# KiCad board r1_panel.kicad_pcb (continued)
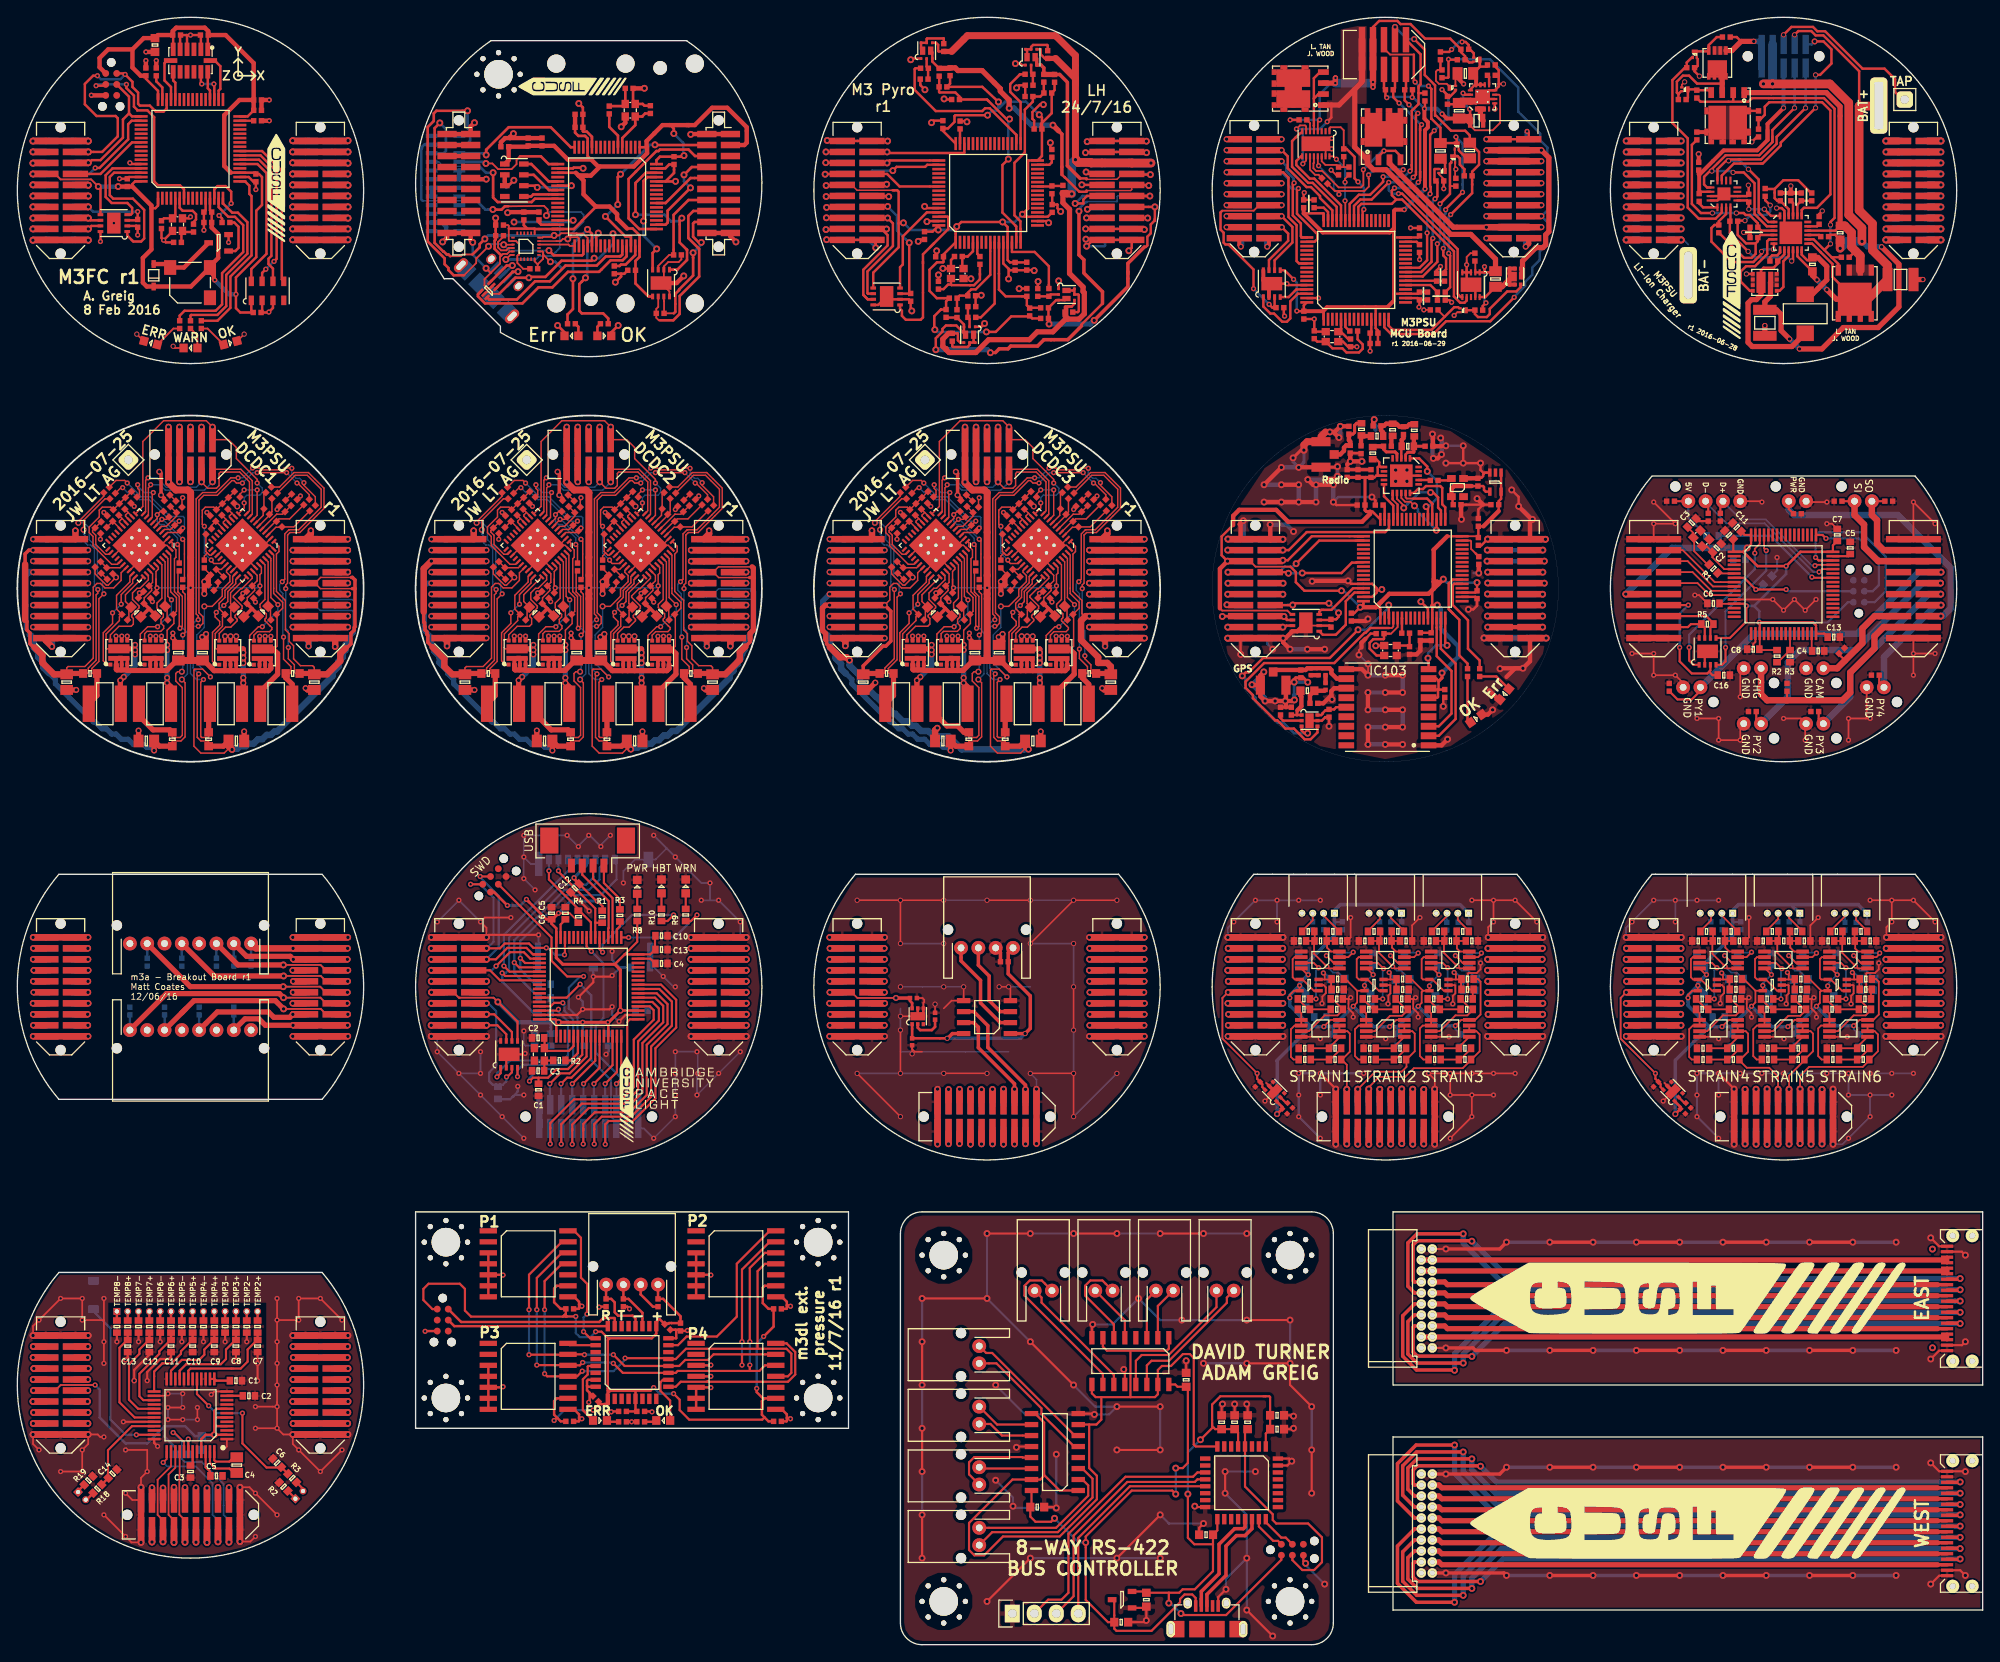
[diagram p0: board, top side]
## Placement (name value [footprint] x y rotation side) (continued)
IC1#2  STM32F405RxTx  [LQFP-64]  112.13 167.71 90 top
IC1#3  STM32F405RxTx  [LQFP-64]  66 76 90 top
IC1#4  AD8226  [MSOP-8]  165.5 79.1 180 top
IC1#5  AD8226  [MSOP-8]  211.5 79.1 180 top
IC1#6  LTC2983  [LQFP-48]  20 26.5 180 top
IC1#7  STM32F405RxTx  [LQFP-64]  204 122.5 0 top
IC1#8  LTC3887  [QFN-40-EP-LTC-UJ]  26 127 225 top
IC1#9  LTC3887  [QFN-40-EP-LTC-UJ]  72 127 225 top
IC1#10  LTC3887  [QFN-40-EP-LTC-UJ]  118 127 225 top
IC1#11  STM32F405RxTx  [LQFP-64]  68.12 167.29 270 top
IC1#12  STM32F405RxTx  [LQFP-64]  154.64 158.82 90 top
IC1#13  MAX17435  [QFN-24-EP-MAX]  204.85 163.1 0 top
IC1#14  NCP380  [DFN-6-EP-ONSEMI]  149.25 106.75 0 top
IC1#15  -  [SP100]  59 44 0 top
IC1#16  NCP380  [DFN-6-EP-ONSEMI]  104 72.6 90 top
IC1#17  STM32F0xxKxTx  [LQFP-32]  141.4 18.7 270 top
IC2  MS5611-01BA03  [MS5611]  28.9 156.4 90 top
IC2#2  MCP2562  [DFN-8-EP-MICROCHIP]  100.41 155.75 180 top
IC2#3  MCP2562  [DFN-8-EP-MICROCHIP]  56.8 68.2 90 top
IC2#4  AD8541  [SC-70-5]  164.2 76.2 180 top
IC2#5  AD8541  [SC-70-5]  210.2 76.2 180 top
IC2#6  MCP2562  [DFN-8-EP-MICROCHIP]  195.23 114.75 90 top
IC2#7  LTC3887  [QFN-40-EP-LTC-UJ]  14.1 127 225 top
IC2#8  LTC3887  [QFN-40-EP-LTC-UJ]  60.1 127 225 top
IC2#9  LTC3887  [QFN-40-EP-LTC-UJ]  106.1 127 225 top
IC2#10  MCP2562  [DFN-8-EP-MICROCHIP]  74.35 157.3 270 top
IC2#11  TPS62152  [QFN-16-EP-TI]  169.24 178.81 90 top
IC2#12  PCAL9538A  [QFN-16-EP-NXP]  197.12 167.59 90 top
IC2#13  -  [SP100]  83 44 0 top
IC2#14  ADuM1201  [SOIC-8]  112 72.5 180 top
IC2#15  MCP1700  [SOT-23]  127.6 5.2 180 top
IC3  MCP2562  [DFN-8-EP-MICROCHIP]  11.15 164.22 180 top
IC3#2  AD8226  [MSOP-8]  150.5 79.1 180 top
IC3#3  AD8226  [MSOP-8]  196.5 79.1 180 top
IC3#4  MS5611-01BA03  [MS5611]  57.4 169.18 0 top
IC3#5  MCP2562  [DFN-8-EP-MICROCHIP]  144.89 157.23 90 top
IC3#6  -  [SP100]  59 31 0 top
IC3#7  AM26C31  [SOIC-16]  119.84 22.26 180 top
IC4  ADXL345  [ADXL3x5]  20 183 270 top
IC4#2  AD8541  [SC-70-5]  149.2 76.2 180 top
IC4#3  AD8541  [SC-70-5]  195.2 76.2 180 top
IC4#4  MPU-9250  [QFN-24-MPU9250]  58.75 161.55 270 top
IC4#5  LTC4353  [DFN-16-EP-LTC-DE]  149.98 173.39 270 top
IC4#6  -  [SP100]  83 31 0 top
IC4#7  AM26C31  [SOIC-16]  128.56 32.76 270 top
IC5  AD8656  [MSOP-8]  150.5 71.2 0 top
IC5#2  AD8656  [MSOP-8]  196.5 71.2 0 top
IC5#3  LTC4151  [DFN-10-EP-LT]  167.9 157.11 270 top
IC5#4  STM32F0xxKxTx  [LQFP-32]  71 32.6 90 top
IC6  AD8226  [MSOP-8]  158 79.1 180 top
IC6#2  AD8226  [MSOP-8]  204 79.1 180 top
IC7  AD8541  [SC-70-5]  156.7 76.2 180 top
IC7#2  AD8541  [SC-70-5]  202.7 76.2 180 top
IC8  AD8656  [MSOP-8]  158 71.2 0 top
IC8#2  AD8656  [MSOP-8]  204 71.2 0 top
IC9  AD8656  [MSOP-8]  165.5 71.2 0 top
IC9#2  AD8656  [MSOP-8]  211.5 71.2 0 top
IC10  NCP380  [DFN-6-EP-ONSEMI]  145.23 63.9 135 top
IC10#2  NCP380  [DFN-6-EP-ONSEMI]  191.23 63.9 135 top
IC101  STM32F405RxTx  [LQFP-64]  161.18 124.3 90 top
IC102  MCP2562  [DFN-8-EP-MICROCHIP]  148.83 118.05 180 top
IC103  -  [MAX-7Q]  153.5 112.7 0 top
IC201  Si4460  [QFN-20-EP-SI]  159.85 135.05 270 top
J1  WEST TOP  [TFML-110-02-L-D]  5 168 270 top
J1#2  WEST TOP  [TFML-110-02-L-D]  51 76 270 top
J1#3  WEST TOP  [TFML-110-02-L-D]  143 76 270 top
J1#4  WEST TOP  [TFML-110-02-L-D]  189 76 270 top
J1#5  WEST TOP  [TFML-110-02-L-D]  5 76 270 top
J1#6  WEST TOP  [TFML-110-02-L-D]  5 30 270 top
J1#7  WEST TOP  [TFML-110-02-L-D]  189 122 270 top
J1#8  WEST TOP  [TFML-110-02-L-D]  5 122 270 top
J1#9  WEST TOP  [TFML-110-02-L-D]  51 122 270 top
J1#10  WEST TOP  [TFML-110-02-L-D]  97 122 270 top
J1#11  WEST TOP  [TFML-110-02-L-D]  142.85 168.2 270 top
J1#12  WEST TOP  [TFML-110-02-L-D]  189 168 270 top
J1#13  WEST TOP  [TFML-110-01-L-D-RA]  160 14 270 top
J1#14  EAST TOP  [TFML-110-01-L-D-RA]  160 40 270 top
J1#15  SERIAL  [S04B-PASK-2]  71 41.6 0 top
J1#16  WEST TOP  [TFML-110-02-L-D]  97 76 270 top
J1#17  MICROUSB  [MICROUSB_MOLEX_47589-0001]  137.4 1.8 0 top
J1#18  MICROUSB  [MICROUSB_MOLEX_47589-0001]  54.2 156.4 135 bottom
J2  EAST TOP  [TFML-110-02-L-D]  81 76 270 top
J2#2  EAST TOP  [TFML-110-02-L-D]  173 76 270 top
J2#3  EAST TOP  [TFML-110-02-L-D]  219 76 270 top
J2#4  EAST TOP  [TFML-110-02-L-D]  35 76 270 top
J2#5  EAST TOP  [TFML-110-02-L-D]  35 30 270 top
J2#6  EAST TOP  [TFML-110-02-L-D]  219 122 270 top
J2#7  WEST BOT  [SFML-110-02-L-D-LC]  81 168.8 270 top
J2#8  WEST BOT  [SFM-110-02-L-DH]  226.7 14 270 top
J2#9  EAST BOT  [SFM-110-02-L-DH]  226.7 40 270 top
J2#10  EAST TOP  [TFML-110-02-L-D]  127 76 270 top
J2#11  WEST BOT  [SFML-110-02-L-D-LC]  5 168 270 bottom
J2#12  WEST BOT  [SFML-110-02-L-D-LC]  5 122 270 bottom
J2#13  WEST BOT  [SFML-110-02-L-D-LC]  51 122 270 bottom
J2#14  WEST BOT  [SFML-110-02-L-D-LC]  97 122 270 bottom
J2#15  WEST BOT  [SFML-110-02-L-D-LC]  142.85 168.2 270 bottom
J2#16  WEST BOT  [SFML-110-02-L-D-LC]  189 168 270 bottom
J3  EAST TOP  [TFML-110-02-L-D]  35 168 270 top
J3#2  NORTH TOP  [TFML-105-02-L-D]  157.85 183.7 0 top
J3#3  NORTH TOP  [TFML-105-02-L-D]  20 137.5 0 top
J3#4  NORTH TOP  [TFML-105-02-L-D]  66 137.5 0 top
J3#5  NORTH TOP  [TFML-105-02-L-D]  112 137.5 0 top
J3#6  TAP  [SIL-254P-01]  218 178.5 0 top
J3#7  WEST BOT  [SFML-110-02-L-D-LC]  51 76 270 bottom
J3#8  WEST BOT  [SFML-110-02-L-D-LC]  143 76 270 bottom
J3#9  WEST BOT  [SFML-110-02-L-D-LC]  189 76 270 bottom
J3#10  WEST BOT  [SFML-110-02-L-D-LC]  5 76 270 bottom
J3#11  WEST BOT  [SFML-110-02-L-D-LC]  5 30 270 bottom
J3#12  WEST BOT  [SFML-110-02-L-D-LC]  97 76 270 bottom
J4  EAST TOP  [TFML-110-02-L-D]  35 122 270 top
J4#2  EAST TOP  [TFML-110-02-L-D]  81 122 270 top
J4#3  EAST TOP  [TFML-110-02-L-D]  127 122 270 top
J4#4  EAST TOP  [TFML-110-02-L-D]  172.85 168.2 270 top
J4#5  EAST BOT  [SFML-110-02-L-D-LC]  51 168.8 270 top
J4#6  EAST TOP  [TFML-110-02-L-D]  219 168 270 top
J4#7  UART  [S04B-PASK-2]  112 80.5 0 top
J4#8  EAST BOT  [SFML-110-02-L-D-LC]  35 168 270 bottom
J4#9  EAST BOT  [SFML-110-02-L-D-LC]  81 76 270 bottom
J4#10  EAST BOT  [SFML-110-02-L-D-LC]  173 76 270 bottom
J4#11  EAST BOT  [SFML-110-02-L-D-LC]  219 76 270 bottom
J4#12  EAST BOT  [SFML-110-02-L-D-LC]  35 76 270 bottom
J4#13  EAST BOT  [SFML-110-02-L-D-LC]  35 30 270 bottom
J5  SOUTH TOP  [TFML-110-02-L-D]  158 61 0 top
J5#2  SOUTH TOP  [TFML-110-02-L-D]  204 61 0 top
J5#3  SOUTH TOP  [TFML-110-02-L-D]  20 15 0 top
J5#4  North  [S08B-PASK-2]  20 81 0 top
J5#5  PYRO1  [B02B-PASK]  193.4 110.6 0 bottom
J5#6  EAST BOT  [SFML-110-02-L-D-LC]  35 122 270 bottom
J5#7  EAST BOT  [SFML-110-02-L-D-LC]  81 122 270 bottom
J5#8  EAST BOT  [SFML-110-02-L-D-LC]  127 122 270 bottom
J5#9  EAST BOT  [SFML-110-02-L-D-LC]  172.85 168.2 270 bottom
J5#10  EAST BOT  [SFML-110-02-L-D-LC]  219 168 270 bottom
J5#11  EAST BOT  [SFML-110-02-L-D-LC]  127 76 270 bottom
J6  USB  [Connector_Molex_PicoBlade_53261-0471]  65.88 92.9 180 top
J6#2  South  [S08B-PASK-2]  20 71 180 top
J6#3  SOUTH TOP  [TFML-110-02-L-D]  112 61 0 top
J6#4  SOUTH BOT  [SFML-110-02-L-D-LC]  158 61 0 bottom
J6#5  SOUTH BOT  [SFML-110-02-L-D-LC]  204 61 0 bottom
J6#6  SOUTH BOT  [SFML-110-02-L-D-LC]  20 15 0 bottom
J6#7  PYRO3  [B02B-PASK]  207.6 106.4 0 bottom
J6#8  NORTH BOT  [SFML-105-02-L-D-LC]  20 137.5 0 bottom
J6#9  NORTH BOT  [SFML-105-02-L-D-LC]  66 137.5 0 bottom
J6#10  NORTH BOT  [SFML-105-02-L-D-LC]  112 137.5 0 bottom
J6#11  NORTH BOT  [SFML-105-02-L-D-LC]  204 183.5 0 bottom
J7  S1  [Connector_Molex_PicoBlade_53048-0410]  152.13 84.5 180 top
J7#2  S1  [Connector_Molex_PicoBlade_53048-0410]  198.13 84.5 180 top
J7#3  BAT+  [SIL-254P-01#2]  215 177.8 0 top
J7#4  SOUTH BOT  [SFML-110-02-L-D-LC]  66 61 0 bottom
J7#5  TEMP1  [Connector_Molex_PicoBlade_53048-0210]  32.12 16.87 45 bottom
J7#6  ARM  [B02B-PASK]  213.2 132.1 180 bottom
J7#7  SOUTH BOT  [SFML-110-02-L-D-LC]  112 61 0 bottom
J8  S3  [Connector_Molex_PicoBlade_53048-0410]  167.63 84.5 180 top
J8#2  S3  [Connector_Molex_PicoBlade_53048-0410]  213.63 84.5 180 top
J8#3  BAT-  [SIL-254P-01#2]  193 158.2 0 top
J8#4  TEMP9  [Connector_Molex_PicoBlade_53048-0210]  7.02 17.63 315 bottom
J8#5  PYRO2  [B02B-PASK]  200.4 106.4 0 bottom
J9  WEST TOP  [TFML-110-02-L-D]  97 168 270 top
J9#2  S2  [Connector_Molex_PicoBlade_53048-0410]  159.88 84.5 180 top
J9#3  S2  [Connector_Molex_PicoBlade_53048-0410]  205.88 84.5 180 top
J9#4  TEMP2-8  [Connector_Molex_PicoBlade_53048-1410]  11.5 38.5 0 bottom
J9#5  PYRO4  [B02B-PASK]  214.6 110.6 0 bottom
J10  WEST BOT  [SFML-110-02-L-D-LC]  97 168 270 bottom
J10#2  PWR  [B02B-PASK]  205.6 132.1 180 bottom
J11  EAST TOP  [TFML-110-02-L-D]  127 168 270 top
J11#2  CHG  [B02B-PASK]  200.4 112.8 0 bottom
J12  EAST BOT  [SFML-110-02-L-D-LC]  127 168 270 bottom
J12#2  CAM  [B02B-PASK]  207.6 112.8 0 bottom
J13  USB  [B04B-PASK]  196 132.1 180 bottom
J101  WEST TOP  [TFML-110-02-L-D]  143 122 270 top
J102  WEST BOT  [SFML-110-02-L-D-LC]  143 122 270 bottom
J103  EAST TOP  [TFML-110-02-L-D]  173 122 270 top
J104  EAST BOT  [SFML-110-02-L-D-LC]  173 122 270 bottom
L1  10µ  [TYS5040]  29.9 108.7 180 top
L1#2  10µ  [TYS5040]  75.9 108.7 180 top
L1#3  10µ  [TYS5040]  121.9 108.7 180 top
L1#4  3µ3  [VLS201610HBX-1]  168.55 176.05 180 top
L1#5  4µ7  [SRP5030T]  206.5 153.75 90 top
L1#6  91nH  [0402-L]  149.4 112.4 90 top
L2  10µ  [TYS5040]  24.1 108.7 180 top
L2#2  10µ  [TYS5040]  70.1 108.7 180 top
L2#3  10µ  [TYS5040]  116.1 108.7 180 top
L2#4  91nH  [0402-L]  150.7 112 180 top
L3  10µ  [TYS5040]  15.9 108.7 0 top
L3#2  10µ  [TYS5040]  61.9 108.7 0 top
L3#3  10µ  [TYS5040]  107.9 108.7 0 top
L3#4  91nH  [0402-L]  151.1 110.7 90 top
L4  10µ  [TYS5040]  10.1 108.7 180 top
L4#2  10µ  [TYS5040]  56.1 108.7 180 top
L4#3  10µ  [TYS5040]  102.1 108.7 180 top
L201  120nH  [0603-L]  156.55 137.65 90 top
L202  18nH  [0603-L]  160.6 138.45 0 top
L203  22nH  [0603-L]  161.35 140.29 90 top
L204  6.8nH  [0603-L]  158.85 140.35 90 top
L205  6.8nH  [0603-L]  157.05 139.62 180 top
L206  6.8nH  [0603-L]  155.25 140.4 90 top
LS1  SOUNDER  [KSSG13J12-N]  19.95 157.35 180 top
P1  SWD_TC  [TC2030-NL]  10.85 180.25 270 top
P1#2  SWD_TC  [TC2030-NL]  55.1 88.3 45 top
P1#3  SWD_TC  [TC2030-NL]  49.14 37.5 270 top
P1#4  SWD_TC  [TC2030-NL]  147.27 10.97 0 top
P1#5  SWD_TC  [TC2030-NL]  212.7 121.7 90 bottom
P5  SHIFT  [Pin_Header_Straight_1x04]  114.92 3.6 90 top
P6  BUS1  [S02B-PASK-2]  111.1 12.5 90 top
P7  BUS2  [S02B-PASK-2]  111.1 33.5 90 top
P8  BUS3  [S02B-PASK-2]  111.1 26.5 90 top
P9  BUS4  [S02B-PASK-2]  111.1 19.5 90 top
P10  BUS5  [S02B-PASK-2]  132.5 40.9 0 top
P11  BUS6  [S02B-PASK-2]  125.5 40.9 0 top
P12  BUS7  [S02B-PASK-2]  118.5 40.9 0 top
P13  BUS8  [S02B-PASK-2]  139.5 40.9 0 top
P101  COAX  [U.FL-R-SMT-1]  145.05 110.85 180 top
P201  COAX  [U.FL-R-SMT-1]  150.58 137.5 90 top
Q1  NFET  [SOT-23]  23.25 161.95 180 top
Q1#2  2FET3  [PowerPAK-SC-70-6-DUAL]  117.09 183.39 90 top
Q1#3  SiZ340DT  [PowerPair3x3]  28.3 114.6 0 top
Q1#4  SiZ340DT  [PowerPair3x3]  74.3 114.6 0 top
Q1#5  SiZ340DT  [PowerPair3x3]  120.3 114.6 0 top
Q1#6  NFET  [SOT-883-B]  165.75 179.86 90 top
Q1#7  NFET  [SOT-883-B]  193.75 183.72 0 top
Q2  2FET3  [PowerPAK-SC-70-6-DUAL]  105.03 184.14 90 top
Q2#2  SiZ340DT  [PowerPair3x3]  24.3 114.6 0 top
Q2#3  SiZ340DT  [PowerPair3x3]  70.3 114.6 0 top
Q2#4  SiZ340DT  [PowerPair3x3]  116.3 114.6 0 top
Q2#5  PFET  [SOT-883-B]  168.57 183.11 270 top
Q2#6  PFET  [PowerPAK-1212-8]  196.35 182.73 270 top
Q3  2FET3  [PowerPAK-SC-70-6-DUAL]  109.99 151.33 270 top
Q3#2  SiZ340DT  [PowerPair3x3]  15.68 114.61 0 top
Q3#3  SiZ340DT  [PowerPair3x3]  61.68 114.61 0 top
Q3#4  SiZ340DT  [PowerPair3x3]  107.68 114.61 0 top
Q3#5  NFET  [SOT-883-B]  165.84 171.62 0 top
Q3#6  NFET  [SOT-883-B]  192.6 179.68 270 top
Q4  2FET3  [PowerPAK-SC-70-6-DUAL]  121.18 155.98 0 top
Q4#2  SiZ340DT  [PowerPair3x3]  11.73 114.61 0 top
Q4#3  SiZ340DT  [PowerPair3x3]  57.73 114.61 0 top
Q4#4  SiZ340DT  [PowerPair3x3]  103.73 114.61 0 top
Q4#5  NFET2  [PowerFLAT-5x6]  157.85 174.21 0 top
Q4#6  NFET2  [PowerFLAT-5x6]  197.55 176.63 180 top
Q5  NFET2  [PowerFLAT-5x6]  148.18 179.76 90 top
Q5#2  PFET  [PowerPAK-SO-8]  212.23 156.12 270 top
Q6  PFET  [SOT-883-B]  166.25 173.12 0 top
Q6#2  SiZ340DT  [PowerPair-3x3]  201.83 157.38 90 top
Q7  NFET  [SOT-883-B]  164.55 170.25 270 top
Q8  PFET  [SON2x2]  172.99 158.05 0 top
Q9  NFET  [SOT-883-B]  166.98 154.16 270 top
R1  100  [0402]  24.1 164.3 0 top
R1#2  47K  [0603-L]  67.55 84.1 90 top
R1#3  10k  [0402]  119.01 183.7 90 top
R1#4  3.74K  [0603-L]  164.1 82.4 0 top
R1#5  3.74K  [0603-L]  210.1 82.4 0 top
R1#6  100R  [0603-L]  195.9 124.3 315 top
R1#7  50m  [0603]  31.8 112.2 180 top
R1#8  50m  [0603]  77.8 112.2 180 top
R1#9  50m  [0603]  123.8 112.2 180 top
R1#10  100  [0402]  68.37 177.29 270 top
R1#11  33k  [0402]  166.77 183.1 180 top
R1#12  10  [0402]  201.88 167.77 90 top
R1#13  10  [0603]  149 110.2 0 top
R1#14  1k  [0402]  69.9 25.75 0 top
R1#15  110k  [0402-L]  106 72.6 90 top
R1#16  10K  [0603-L]  19 22 0 bottom
R2  100  [0402]  18.75 152.5 270 top
R2#2  100R  [0603-L]  62.6 67.5 0 top
R2#3  1k  [0402]  119.8 180.95 90 top
R2#4  3.74K  [0603-L]  166.95 82.4 180 top
R2#5  3.74K  [0603-L]  212.95 82.4 180 top
R2#6  3.74K  [0603-L]  31.75 19.25 315 top
R2#7  4K7  [0603-L]  203.25 114.2 90 top
R2#8  10k  [0402]  23.3 130.8 315 top
R2#9  10k  [0402]  69.3 130.8 315 top
R2#10  10k  [0402]  115.3 130.8 315 top
R2#11  100  [0402]  64 152.6 0 top
R2#12  33k  [0402]  165.18 178.41 270 top
R2#13  10k  [0402]  196.52 163.56 90 top
R2#14  110k  [0402]  145.9 107.85 270 top
R2#15  1k  [0402]  72 25.75 180 top
R3  100  [0402]  20 152.5 270 top
R3#2  1k  [0603-L]  69.6 84.25 270 top
R3#3  1k  [0402]  107.74 181.71 90 top
R3#4  3.74K  [0603-L]  149.1 82.4 0 top
R3#5  3.74K  [0603-L]  195.1 82.4 0 top
R3#6  3.74K  [0603-L]  30.75 18.25 315 top
R3#7  10K  [0603-L]  204.75 114.2 90 top
R3#8  100  [0402]  29.02 133.42 225 top
R3#9  100  [0402]  75.02 133.42 225 top
R3#10  100  [0402]  121.02 133.42 225 top
R3#11  100  [0402]  154.35 151.76 180 top
R3#12  10k  [0402]  199.98 167.1 90 top
R4  100  [0402]  21.25 152.5 270 top
R4#2  47K  [0603-L]  64.8 84.1 270 top
R4#3  1k  [0402]  107.27 153.79 270 top
R4#4  3.74K  [0603-L]  151.95 82.4 180 top
R4#5  3.74K  [0603-L]  197.95 82.4 180 top
R4#6  3.74K  [0603-L]  20.25 36.75 90 top
R4#7  4k99  [0402]  32 132.6 135 top
R4#8  4k99  [0402]  78 132.6 135 top
R4#9  4k99  [0402]  124 132.6 135 top
R4#10  100  [0402]  67.8 152.6 180 top
R4#11  10k  [0402]  164.55 181.47 90 top
R4#12  6k2  [0402]  206.05 167.25 270 top
R4#13  1K  [0603-L]  195.8 128.1 0 bottom
R5  100  [0402]  20.35 163.65 90 top
R5#2  10k  [0402]  116.86 180.15 180 top
R5#3  10K  [0603-L]  167.5 76.9 0 top
R5#4  10K  [0603-L]  213.5 76.9 0 top
R5#5  3.74K  [0603-L]  19 36.75 90 top
R5#6  120R  [0603-L]  195.2 117.9 180 top
R5#7  33k  [0402]  167.18 184.31 0 top
R5#8  4k99  [0402]  25.4 132.9 315 top
R5#9  4k99  [0402]  71.4 132.9 315 top
R5#10  4k99  [0402]  117.4 132.9 315 top
R5#11  10k  [0402]  198.25 164.45 180 top
R5#12  120  [0402]  74.25 153.8 180 top
R5#13  47K  [0603-L]  60.9 76.3 0 bottom
R6  100  [0402]  116.85 181.42 180 top
R6#2  10K  [0603-L]  167.5 75.7 180 top
R6#3  10K  [0603-L]  213.5 75.7 180 top
R6#4  3.74K  [0603-L]  9.25 18 225 top
R6#5  100  [0402]  75.72 132.72 225 top
R6#6  100  [0402]  29.72 132.72 225 top
R6#7  100  [0402]  121.72 132.72 225 top
R6#8  33k  [0402]  164.37 183.55 270 top
R6#9  33k  [0402]  193.27 182.18 0 top
R6#10  47K  [0603-L]  60.9 74.7 0 bottom
R7  1k  [0402]  118.65 153.22 0 top
R7#2  10K  [0603-L]  152.5 76.9 0 top
R7#3  10K  [0603-L]  198.5 76.9 0 top
R7#4  3.74K  [0603-L]  8.22 18.97 225 top
R7#5  4k7  [0402]  158.47 179.63 0 top
R7#6  4k99  [0402]  13.5 132.9 315 top
R7#7  4k99  [0402]  59.5 132.9 315 top
R7#8  4k99  [0402]  105.5 132.9 315 top
R7#9  56k  [0402]  207.26 167.25 90 top
R7#10  47K  [0603-L]  60.9 73 0 bottom
R8  10k  [0402]  107 184.51 90 top
R8#2  10K  [0603-L]  152.5 75.7 180 top
R8#3  10K  [0603-L]  198.5 75.7 180 top
R8#4  3.74K  [0603-L]  27.75 36.75 90 top
R8#5  1k  [0603-L]  71.6 84.3 90 top
R8#6  24k9  [0402]  68.1 128.6 225 top
R8#7  30k1  [0402]  22.1 128.6 225 top
R8#8  24k9  [0402]  114.1 128.6 225 top
R8#9  4k7  [0402]  160.69 179.63 180 top
R8#10  10k  [0402]  194.26 167.19 270 top
R9  10k  [0402]  118.56 180.96 270 top
R9#2  3.74K  [0603-L]  26.5 36.75 90 top
R9#3  1k  [0603-L]  77.2 84.3 90 top
R9#4  100  [0402]  80.1 131.3 45 top
R9#5  100  [0402]  34.1 131.3 45 top
R9#6  100  [0402]  126.1 131.3 45 top
R9#7  33k  [0402]  153.8 170.25 270 top
R9#8  33k  [0402]  197.39 185.72 180 top
R9#9  330  [0603-L]  167.7 79.2 270 bottom
R9#10  330  [0603-L]  213.7 79.2 270 bottom
R10  10k  [0402]  107.99 151.04 270 top
R10#2  3.74K  [0603-L]  17.75 36.75 90 top
R10#3  1k  [0603-L]  74.4 84.3 90 top
R10#4  5k76  [0402]  68.6 130.1 135 top
R10#5  3k57  [0402]  22.6 130.1 135 top
R10#6  9k09  [0402]  114.6 130.1 135 top
R10#7  4k7  [0402]  162.58 178.79 90 top
R10#8  2M  [0402]  192.3 178.5 0 top
R10#9  330  [0603-L]  152.7 79.2 270 bottom
R10#10  330  [0603-L]  198.7 79.2 270 bottom
R11  10k  [0402]  121.45 153.94 0 top
R11#2  1.69K  [0603-L]  163.6 74.6 180 top
R11#3  1.69K  [0603-L]  209.6 74.6 180 top
R11#4  3.74K  [0603-L]  16.5 36.75 90 top
R11#5  100  [0402]  79.4 132 45 top
R11#6  100  [0402]  33.4 132 45 top
R11#7  100  [0402]  125.4 132 45 top
R11#8  33k  [0402]  153.2 172.35 90 top
R11#9  150k  [0402]  193.98 179.13 270 top
R12  10k  [0402]  104.74 180.86 180 top
R12#2  1.69K  [0603-L]  148.6 74.6 180 top
R12#3  1.69K  [0603-L]  194.6 74.6 180 top
R12#4  3.74K  [0603-L]  25.25 36.75 90 top
R12#5  4k99  [0402]  68.38 122.12 135 top
R12#6  4k99  [0402]  22.38 122.12 135 top
R12#7  4k99  [0402]  114.38 122.12 135 top
R12#8  33k  [0402]  167.58 169.69 180 top
R12#9  33k  [0402]  201.11 176.74 270 top
R13  10k  [0402]  110.25 154.58 0 top
R13#2  6.04K  [0603-L]  167.4 73.4 0 top
R13#3  6.04K  [0603-L]  213.4 73.4 0 top
R13#4  3.74K  [0603-L]  24 36.75 90 top
R13#5  50m  [0603]  68.1 104.6 270 top
R13#6  50m  [0603]  22.1 104.6 270 top
R13#7  50m  [0603]  114.1 104.6 270 top
R13#8  47  [0805]  167.76 172.61 270 top
R13#9  5k1  [0402]  201.11 174.63 270 top
R14  10k  [0402]  117.86 156.22 90 top
R14#2  6.04K  [0603-L]  152.4 73.4 0 top
R14#3  6.04K  [0603-L]  198.4 73.4 0 top
R14#4  3.74K  [0603-L]  15.25 36.75 90 top
R14#5  50m  [0603]  63.9 104.6 90 top
R14#6  50m  [0603]  17.9 104.6 90 top
R14#7  50m  [0603]  109.9 104.6 90 top
R14#8  47  [0805]  164.37 172.57 270 top
R14#9  10m  [0603]  207.33 159.46 270 top
R15  10k  [0402]  106.48 181.65 270 top
R15#2  562R  [0603-L]  163.7 67.6 0 top
R15#3  562R  [0603-L]  209.7 67.6 0 top
R15#4  3.74K  [0603-L]  14 36.75 90 top
R15#5  10k  [0402]  11.4 130.8 315 top
R15#6  10k  [0402]  57.4 130.8 315 top
R15#7  10k  [0402]  103.4 130.8 315 top
R15#8  10m  [0805]  170.73 157.77 270 top
R15#9  1k  [0402]  208.75 162.66 0 top
R16  10k  [0402]  108.53 153.77 90 top
R16#2  562R  [0603-L]  148.7 67.6 0 top
R16#3  562R  [0603-L]  194.7 67.6 0 top
R16#4  3.74K  [0603-L]  22.75 36.75 90 top
R16#5  100  [0402]  18.7 124.5 90 top
R16#6  100  [0402]  64.7 124.5 90 top
R16#7  100  [0402]  110.7 124.5 90 top
R16#8  33k  [0402]  168.8 154.17 180 top
R16#9  10  [0402]  193.98 174.29 90 top
R17  10k  [0402]  118.65 154.44 180 top
R17#2  17.8K  [0603-L]  167.2 68.9 180 top
R17#3  17.8K  [0603-L]  213.2 68.9 180 top
R17#4  3.74K  [0603-L]  21.5 36.75 90 top
R17#5  4k99  [0402]  17.3 132.5 45 top
R17#6  4k99  [0402]  63.3 132.5 45 top
R17#7  4k99  [0402]  109.3 132.5 45 top
R17#8  10m  [0603]  210.53 163.11 270 top
R17#9  30k  [0402]  164.48 156.25 180 top
R18  100  [0402]  104.78 182.11 180 top
R18#2  17.8K  [0603-L]  152.2 68.9 180 top
R18#3  17.8K  [0603-L]  198.2 68.9 180 top
R18#4  3.74K  [0603-L]  12.75 36.75 90 top
R18#5  10k  [0402]  164.48 155.32 0 top
R18#6  10k  [0402]  24 131.5 135 top
R18#7  10k  [0402]  70 131.5 135 top
R18#8  10k  [0402]  116 131.5 135 top
R19  100  [0402]  110.25 153.34 0 top
R19#2  3.74K  [0603-L]  156.7 82.4 0 top
R19#3  3.74K  [0603-L]  202.7 82.4 0 top
R19#4  3.74K  [0603-L]  11.5 36.75 90 top
R19#5  100  [0402]  19.1 122.6 90 top
R19#6  100  [0402]  65.1 122.6 90 top
R19#7  100  [0402]  111.1 122.6 90 top
R19#8  10k  [0402]  164.84 157.97 270 top
R20  100  [0402]  119.14 156.22 90 top
R20#2  3.74K  [0603-L]  159.45 82.4 180 top
R20#3  3.74K  [0603-L]  205.45 82.4 180 top
R20#4  10k  [0402]  163.93 157.97 90 top
R20#5  10k  [0402]  12.1 131.5 135 top
R20#6  10k  [0402]  58.1 131.5 135 top
R20#7  10k  [0402]  104.1 131.5 135 top
R21  10K  [0603-L]  160 76.9 0 top
R21#2  10K  [0603-L]  206 76.9 0 top
R21#3  24k9  [0402]  10 129.4 135 top
R21#4  24k9  [0402]  56 129.4 135 top
R21#5  24k9  [0402]  102 129.4 135 top
R21#6  33k  [0402]  166.15 168.95 90 top
R22  10K  [0603-L]  160 75.7 180 top
R22#2  10K  [0603-L]  206 75.7 180 top
R22#3  100  [0402]  10.3 133.4 225 top
R22#4  100  [0402]  56.3 133.4 225 top
R22#5  100  [0402]  102.3 133.4 225 top
R22#6  33k  [0402]  164.3 169.1 0 top
R23  4k32  [0402]  10.7 130.1 135 top
R23#2  7k32  [0402]  56.7 130.1 135 top
R23#3  11k3  [0402]  102.7 130.1 135 top
R23#4  33k  [0402]  163.65 154.2 180 top
R23#5  330  [0603-L]  160.2 79.2 270 bottom
R23#6  330  [0603-L]  206.2 79.2 270 bottom
R24  1.69K  [0603-L]  156.1 74.6 180 top
R24#2  1.69K  [0603-L]  202.1 74.6 180 top
R24#3  100  [0402]  11 132.7 225 top
R24#4  100  [0402]  57 132.7 225 top
R24#5  100  [0402]  103 132.7 225 top
R25  100  [0402]  111.18 159.92 90 top
R25#2  6.04K  [0603-L]  159.9 73.4 0 top
R25#3  6.04K  [0603-L]  205.9 73.4 0 top
R25#4  4k99  [0402]  10.7 123.4 45 top
R25#5  4k99  [0402]  56.7 123.4 45 top
R25#6  4k99  [0402]  102.7 123.4 45 top
R26  562R  [0603-L]  156.2 67.6 0 top
R26#2  562R  [0603-L]  202.2 67.6 0 top
R26#3  50m  [0603]  8.4 112.2 180 top
R26#4  50m  [0603]  54.4 112.2 180 top
R26#5  50m  [0603]  100.4 112.2 180 top
R26#6  11  [0402]  120.77 168.13 90 top
R27  17.8K  [0603-L]  159.7 68.9 180 top
R27#2  17.8K  [0603-L]  205.7 68.9 180 top
R27#3  8  [0402]  119.5 168.07 270 top
R28  0R  [0603]  152.5 76.9 180 bottom
R28#2  0R  [0603]  198.5 76.9 180 bottom
R29  0R  [0603]  167.7 76.9 180 bottom
R29#2  0R  [0603]  213.7 76.9 180 bottom
R30  0R  [0603]  160 76.85 180 bottom
R30#2  0R  [0603]  206 76.85 180 bottom
R32  110k  [0402-L]  147 62.3 315 top
R32#2  110k  [0402-L]  193 62.3 315 top
R101  100  [0402]  160.35 116.85 180 top
R102  100  [0402]  168.9 112.3 270 top
R103  100  [0402]  167.5 112.3 270 top
REF**  -  [M3_MOUNT]  49.5 46.5 0 top
REF**#2  -  [M3_MOUNT]  49.5 28.5 0 top
REF**#3  -  [M3_MOUNT]  92.5 28.5 0 top
REF**#4  -  [M3_MOUNT]  92.5 46.5 0 top
REF**#5  -  [SIL-254P-01]  12.83 136.87 45 top
REF**#6  -  [SIL-254P-01]  58.83 136.87 45 top
REF**#7  -  [SIL-254P-01]  104.83 136.87 45 top
U1  NCP4620  [SC-70-5]  170.73 134.3 270 top
U1#2  MICROSD  [MICROSD_MOLEX_503398-1892]  66.6 88 180 bottom
U1#3  -  [ADIS16405BMLZ]  70.25 168.8 180 bottom
X1  PART  [cusf_logo_small]  64.1 180 90 top
X1#2  PART  [M3_MOUNT]  107 5 0 top
X2  PART  [M3_MOUNT]  55.58 181.42 0 top
X2#2  PART  [M3_MOUNT]  147 5 0 top
X3  PART  [M3_MOUNT]  147 45 0 top
X4  PART  [M3_MOUNT]  107 45 0 top
Y1  26M  [XTAL-20x16]  18.5 164.05 0 top
Y1#2  26M  [XTAL-20x16]  108.56 158.4 270 top
Y1#3  26MHz  [XTAL-20x16]  60.3 68.2 180 top
Y1#4  26MHz  [XTAL-20x16]  194.5 127.8 45 top
Y1#5  26M  [XTAL-20x16]  70.8 177.27 180 top
Y1#6  26M  [XTAL-20x16]  151.85 151.11 270 top
Y101  26M  [XTAL-20x16]  158.6 114.85 90 top
Y201  TCXO  [TG-5006CG]  166.34 133.68 180 top

## Footprints (pads in the part's own frame, mm; a bottom-side part is the same pattern mirrored in y, then rotated)
0402
  rect 0.62x0.62 smd: 1(-0.45,0) 2(0.45,0)
0402-L
  rect 0.52x0.52 smd: 1(-0.4,0) 2(0.4,0)
0603
  rect 0.95x1 smd: 1(-0.8,0) 2(0.8,0)
0603-L
  rect 0.75x0.9 smd: 1(-0.7,0) 2(0.7,0)
0603-LED
  rect 0.95x1 smd: 1(-0.8,0) 2(0.8,0)
0805
  rect 1.15x1.45 smd: 1(-0.9,0) 2(0.9,0)
1210
  rect 1.15x2.7 smd: 1(-1.5,0) 2(1.5,0)
ADIS16405BMLZ
  round 2.1 hole 2.1 unplated: (-8,-13.85) (-8,13.85) (0,-13.85) (0,13.85) (8,-13.85) (8,13.85)
  round 1.588 hole 1.588 unplated: (-4,13.35) (4,-13.35)
  rect 1.37x0.5 smd: 1(22.4,5.5) 2(19.2,5.5) 3(22.4,4.5) 4(19.2,4.5) 5(22.4,3.5) 6(19.2,3.5) 7(22.4,2.5) 8(19.2,2.5) 9(22.4,1.5) 10(19.2,1.5) 11(22.4,0.5) 12(19.2,0.5) 13(22.4,-0.5) 14(19.2,-0.5) 15(22.4,-1.5) 16(19.2,-1.5) 17(22.4,-2.5) 18(19.2,-2.5) 19(22.4,-3.5) 20(19.2,-3.5) 21(22.4,-4.5) 22(19.2,-4.5) 23(22.4,-5.5) 24(19.2,-5.5)
ADXL3x5
  rect 1.545x0.55 smd: 1(-1.1,2) 2(-1.1,1.2) 3(-1.1,0.4) 4(-1.1,-0.4) 5(-1.1,-1.2) 6(-1.1,-2) 8(1.095,-2) 9(1.095,-1.2) 10(1.095,-0.4) 11(1.095,0.4) 12(1.095,1.2) 13(1.095,2)
  rect 0.55x1.545 smd: 7(0,-2.098) 14(0,2.098)
B02B-PASK
  round 1.2 hole 1.2 unplated: (2.5,1.7)
  round 1.6 hole 0.8: 1(1,0) 2(-1,0)
B04B-PASK
  round 1.2 hole 1.2 unplated: (4.5,1.7)
  round 1.6 hole 0.8: 1(3,0) 2(1,0) 3(-1,0) 4(-3,0)
Connector_Molex_PicoBlade_53048-0210
  rect 0.8x0.8 hole 0.5: 1(0,0)
  oval 0.8x0.8 hole 0.5: 2(1.25,0)
Connector_Molex_PicoBlade_53048-0410
  rect 0.8x0.8 hole 0.5: 1(0,0)
  oval 0.8x0.8 hole 0.5: 2(1.25,0) 3(2.5,0) 4(3.75,0)
Connector_Molex_PicoBlade_53048-1410
  rect 0.8x0.8 hole 0.5: 1(0,0)
  oval 0.8x0.8 hole 0.5: 2(1.25,0) 3(2.5,0) 4(3.75,0) 5(5,0) 6(6.25,0) 7(7.5,0) 8(8.75,0) 9(10,0) 10(11.25,0) 11(12.5,0) 12(13.75,0) 13(15,0) 14(16.25,0)
Connector_Molex_PicoBlade_53261-0471
  rect 2.1x3 smd: (-4.425,0) (4.425,0)
  rect 0.8x1.6 smd: 1(-1.875,2.9) 2(-0.625,2.9) 3(0.625,2.9) 4(1.875,2.9)
DFN-6-EP-ONSEMI
  rect 0.47x0.4 smd: 1(-0.915,0.65) 2(-0.915,0) 3(-0.915,-0.65) 4(0.915,-0.65) 5(0.915,0) 6(0.915,0.65)
  rect 0.5x0.5 smd: EP(0,0.35) EP(0,-0.35)
  rect 0.95x1.7 smd: EP(0,0)
DFN-8-EP-MICROCHIP
  rect 0.65x0.35 smd: 1(-1.55,0.975) 2(-1.55,0.325) 3(-1.55,-0.325) 4(-1.55,-0.975) 5(1.55,-0.975) 6(1.55,-0.325) 7(1.55,0.325) 8(1.55,0.975)
  rect 0.8x0.8 smd: EP(0,0.6) EP(0,0.6) EP(0,-0.6) EP(0,-0.6)
  rect 1.55x2.4 smd: EP(0,0)
DFN-10-EP-LT
  rect 0.7x0.25 smd: 1(-1.425,1) 2(-1.425,0.5) 3(-1.425,0) 4(-1.425,-0.5) 5(-1.425,-1) 6(1.425,-1) 7(1.425,-0.5) 8(1.425,0) 9(1.425,0.5) 10(1.425,1)
  rect 1.2x0.8 smd: EP(0,0.6) EP(0,-0.6)
  rect 1.65x2.38 smd: EP(0,0)
DFN-16-EP-LTC-DE
  rect 0.7x0.25 smd: 1(-1.45,1.575) 2(-1.45,1.125) 3(-1.45,0.675) 4(-1.45,0.225) 5(-1.45,-0.225) 6(-1.45,-0.675) 7(-1.45,-1.125) 8(-1.45,-1.575) 9(1.45,-1.575) 10(1.45,-1.125) 11(1.45,-0.675) 12(1.45,-0.225) 13(1.45,0.225) 14(1.45,0.675) 15(1.45,1.125) 16(1.45,1.575)
  rect 0.8x0.8 smd: EP(0,1.2) EP(0,1.2) EP(0,0) EP(0,0) EP(0,-1.2) EP(0,-1.2)
  rect 1.7x3.3 smd: EP(0,0)
KSSG13J12-N
  rect 1.4x1.7 smd: 1(-2.3,-1.75) 2(2.3,-1.75) 3(-2.3,1.75)
LQFP-32
  rect 1.2x0.5 smd: 1(-4.2,2.8) 2(-4.2,2) 3(-4.2,1.2) 4(-4.2,0.4) 5(-4.2,-0.4) 6(-4.2,-1.2) 7(-4.2,-2) 8(-4.2,-2.8) 17(4.2,-2.8) 18(4.2,-2) 19(4.2,-1.2) 20(4.2,-0.4) 21(4.2,0.4) 22(4.2,1.2) 23(4.2,2) 24(4.2,2.8)
  rect 0.5x1.2 smd: 9(-2.8,-4.2) 10(-2,-4.2) 11(-1.2,-4.2) 12(-0.4,-4.2) 13(0.4,-4.2) 14(1.2,-4.2) 15(2,-4.2) 16(2.8,-4.2) 25(2.8,4.2) 26(2,4.2) 27(1.2,4.2) 28(0.4,4.2) 29(-0.4,4.2) 30(-1.2,4.2) 31(-2,4.2) 32(-2.8,4.2)
LQFP-48
  rect 1.5x0.3 smd: 1(-4.2,2.75) 2(-4.2,2.25) 3(-4.2,1.75) 4(-4.2,1.25) 5(-4.2,0.75) 6(-4.2,0.25) 7(-4.2,-0.25) 8(-4.2,-0.75) 9(-4.2,-1.25) 10(-4.2,-1.75) 11(-4.2,-2.25) 12(-4.2,-2.75) 25(4.2,-2.75) 26(4.2,-2.25) 27(4.2,-1.75) 28(4.2,-1.25) 29(4.2,-0.75) 30(4.2,-0.25) 31(4.2,0.25) 32(4.2,0.75) 33(4.2,1.25) 34(4.2,1.75) 35(4.2,2.25) 36(4.2,2.75)
  rect 0.3x1.5 smd: 13(-2.75,-4.2) 14(-2.25,-4.2) 15(-1.75,-4.2) 16(-1.25,-4.2) 17(-0.75,-4.2) 18(-0.25,-4.2) 19(0.25,-4.2) 20(0.75,-4.2) 21(1.25,-4.2) 22(1.75,-4.2) 23(2.25,-4.2) 24(2.75,-4.2) 37(2.75,4.2) 38(2.25,4.2) 39(1.75,4.2) 40(1.25,4.2) 41(0.75,4.2) 42(0.25,4.2) 43(-0.25,4.2) 44(-0.75,4.2) 45(-1.25,4.2) 46(-1.75,4.2) 47(-2.25,4.2) 48(-2.75,4.2)
LQFP-64
  rect 1.5x0.3 smd: 1(-5.7,3.75) 2(-5.7,3.25) 3(-5.7,2.75) 4(-5.7,2.25) 5(-5.7,1.75) 6(-5.7,1.25) 7(-5.7,0.75) 8(-5.7,0.25) 9(-5.7,-0.25) 10(-5.7,-0.75) 11(-5.7,-1.25) 12(-5.7,-1.75) 13(-5.7,-2.25) 14(-5.7,-2.75) 15(-5.7,-3.25) 16(-5.7,-3.75) 33(5.7,-3.75) 34(5.7,-3.25) 35(5.7,-2.75) 36(5.7,-2.25) 37(5.7,-1.75) 38(5.7,-1.25) 39(5.7,-0.75) 40(5.7,-0.25) 41(5.7,0.25) 42(5.7,0.75) 43(5.7,1.25) 44(5.7,1.75) 45(5.7,2.25) 46(5.7,2.75) 47(5.7,3.25) 48(5.7,3.75)
  rect 0.3x1.5 smd: 17(-3.75,-5.7) 18(-3.25,-5.7) 19(-2.75,-5.7) 20(-2.25,-5.7) 21(-1.75,-5.7) 22(-1.25,-5.7) 23(-0.75,-5.7) 24(-0.25,-5.7) 25(0.25,-5.7) 26(0.75,-5.7) 27(1.25,-5.7) 28(1.75,-5.7) 29(2.25,-5.7) 30(2.75,-5.7) 31(3.25,-5.7) 32(3.75,-5.7) 49(3.75,5.7) 50(3.25,5.7) 51(2.75,5.7) 52(2.25,5.7) 53(1.75,5.7) 54(1.25,5.7) 55(0.75,5.7) 56(0.25,5.7) 57(-0.25,5.7) 58(-0.75,5.7) 59(-1.25,5.7) 60(-1.75,5.7) 61(-2.25,5.7) 62(-2.75,5.7) 63(-3.25,5.7) 64(-3.75,5.7)
M3_MOUNT
  round 0.6 hole 0.6 unplated: (-2.5,0) (-1.8,1.8) (-1.8,-1.8) (0,2.5) (0,-2.5) (1.8,1.8) (1.8,-1.8) (2.5,0)
  round 3.3 hole 3.3 unplated: (0,0)
MAX-7Q
  rect 1.8x0.7 smd: 1(9.5,-8.8) 9(9.5,0) 10(0,0) 18(0,-8.8)
  rect 1.8x0.8 smd: 2(9.5,-7.7) 3(9.5,-6.6) 4(9.5,-5.5) 5(9.5,-4.4) 6(9.5,-3.3) 7(9.5,-2.2) 8(9.5,-1.1) 11(0,-1.1) 12(0,-2.2) 13(0,-3.3) 14(0,-4.4) 15(0,-5.5) 16(0,-6.6) 17(0,-7.7)
MICROSD_MOLEX_503398-1892
  rect 0.7x1.1 smd: 1(-2.4,2.7) 2(-1.3,2.7) 3(-0.2,2.7) 4(0.9,2.7) 5(1.9,2.7) 6(3,2.7) 7(4.1,2.7) 8(5.2,2.7)
  rect 0.7x3.33 smd: 9(-6.5,-8.565) 9(6.46,-8.565)
  rect 1.14x1.83 smd: 9(-6.28,2.685)
  rect 0.86x2.8 smd: 9(6.38,2.2)
  rect 0.9x0.93 smd: 10(-4.19,-9.765)
  rect 1.05x0.78 smd: 11(0.075,-9.84)
MICROUSB_MOLEX_47589-0001
  oval 1x1.9 hole 0.6x1.3: (-4.175,0) (4.175,0)
  rect 1.575x1.9 smd: (-3.388,0) (3.388,0)
  oval 1x1.25 hole 0.65x0.85: (-2.225,3) S(2.225,3)
  rect 1.8x1.9 smd: (-1.15,0) (1.15,0)
  rect 0.4x1.35 smd: 1(-1.3,2.675) 2(-0.65,2.675) 3(0,2.675) 4(0.65,2.675) 5(1.3,2.675)
MS5611
  rect 1.1x0.6 smd: 1(-1.1,1.875) 2(-1.1,0.625) 3(-1.1,-0.625) 4(-1.1,-1.875) 5(1.1,-1.875) 6(1.1,-0.625) 7(1.1,0.625) 8(1.1,1.875)
MSOP-8
  rect 1.45x0.45 smd: 1(-2.2,0.975) 2(-2.2,0.325) 3(-2.2,-0.325) 4(-2.2,-0.975) 5(2.2,-0.975) 6(2.2,-0.325) 7(2.2,0.325) 8(2.2,0.975)
Pin_Header_Straight_1x04
  rect 2.032x1.727 hole 1.016: 1(0,0)
  oval 2.032x1.727 hole 1.016: 2(0,-2.54) 3(0,-5.08) 4(0,-7.62)
PowerFLAT-5x6
  rect 0.75x0.55 smd: D1(0.575,3.025) D2(-0.575,3.025)
  rect 2.025x3.9 smd: D1(1.212,0.8) D2(-1.212,0.8)
  rect 0.65x0.55 smd: D1(1.9,3.02) D2(-1.9,3.02)
  rect 0.475x0.8 smd: D1(2.462,1.89) D1(2.462,-0.56) D2(-2.462,1.89) D2(-2.462,-0.56)
  rect 0.65x1.25 smd: G1(1.905,-2.675) G2(-0.635,-2.675) S1(0.635,-2.675) S2(-1.905,-2.675)
PowerPair3x3
  rect 0.45x0.45 smd: D1(-0.325,-1.386) D1(0.325,-1.386) D1(0.975,-1.386) G1(-0.975,-1.386) G2(-0.975,1.386) S2(-0.325,1.386) S2(0.325,1.386) S2(0.975,1.386)
  rect 2.45x0.562 smd: D1(0,-0.671)
  rect 2.45x1.036 smd: S1D2(0,0.434)
PowerPair-3x3
  rect 0.45x0.45 smd: D1(-0.325,-1.386) D1(0.325,-1.386) D1(0.975,-1.386) G1(-0.975,-1.386) G2(-0.975,1.386) S2(-0.325,1.386) S2(0.325,1.386) S2(0.975,1.386)
  rect 2.45x0.562 smd: D1(0,-0.671)
  rect 2.45x1.036 smd: S1D2(0,0.434)
PowerPAK-1212-8
  rect 1.725x2.235 smd: D(0.56,0)
  rect 0.76x0.405 smd: D(1.55,0.99) D(1.55,0.33) D(1.55,-0.33) D(1.55,-0.99)
  rect 0.99x0.405 smd: G(-1.435,-0.99) S(-1.435,0.99) S(-1.435,0.33) S(-1.435,-0.33)
PowerPAK-SC-70-6-DUAL
  rect 0.95x0.613 smd: D1(0,0.467) D2(0,-0.467)
  rect 0.325x0.3 smd: D1(0.912,0.65) D2(-0.912,-0.65) G1(-0.912,0) G2(0.912,0) S1(-0.912,0.65) S2(0.912,-0.65)
